# Altium PCB BreakOutBoard_Cyclone.PcbDoc (part 5 of 7)
Units mm, origin at the board's own origin, x right, y up, seen from the top; angles counter-clockwise.
Board outline 360 x 235.6 mm, 2 copper layers (Top Layer, Bottom Layer); 147 components, 203 nets, 2829 pads, 104 vias.
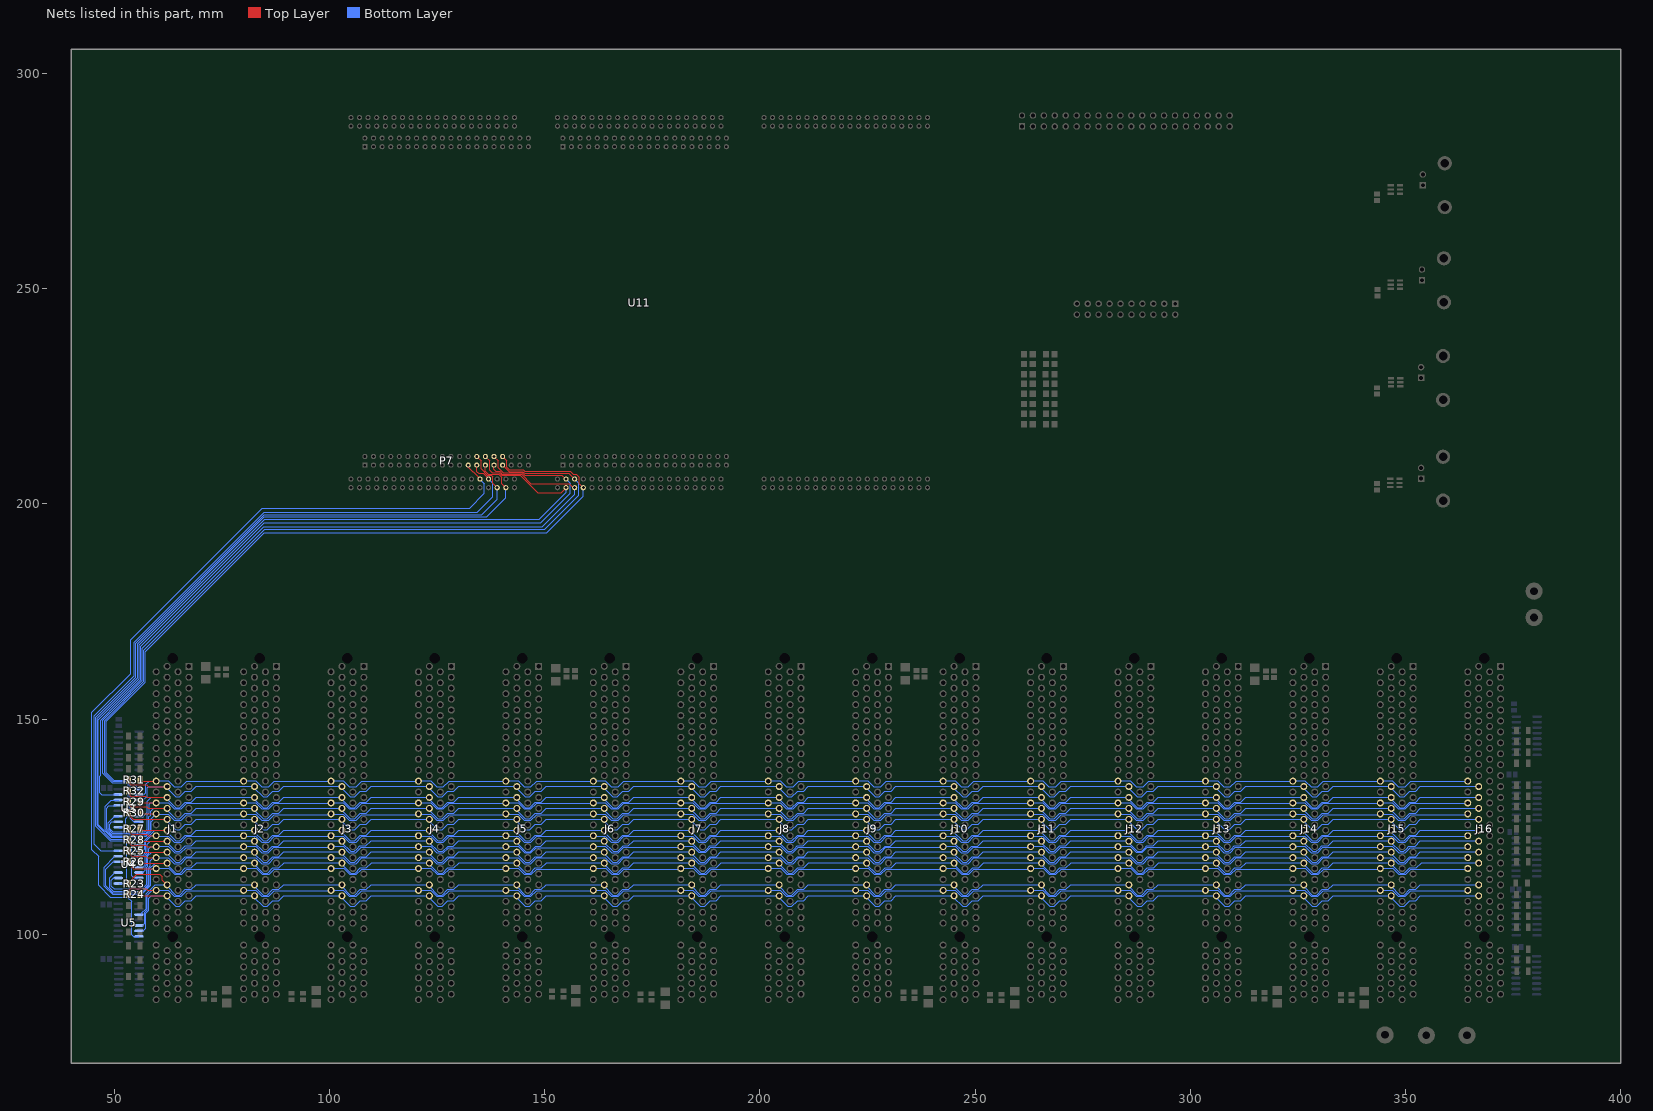
[diagram p5: the nets of this part, all layers, seen from the top]

## Via types
v1: diameter 0.6, hole 0.3, Top Layer to Bottom Layer, 53 vias
v2: diameter 1.27, hole 0.711, Top Layer to Bottom Layer, 36 vias
v3: diameter 5.5, hole 4.5, Top Layer to Bottom Layer, 15 vias

## Nets (pads, with @x,y where several pads share a name; then routed paths per layer and width w, separated by ;. In a path a pad name is that pad's centre, name@x,y a point inside that pad or via, vN(x,y) a via of type N, cw(c..) or ccw(c..) an arc to the next point about the centre after c; other vN are vias at no path point) (continued)
BUS22_P: J1.101 J2.101 J3.101 J4.101 J5.101 J6.101 J7.101 J8.101 J9.101 J10.101 J11.101 J12.101 J13.101 J14.101 J15.101 J16.101 R23.2 U5.3 | length 359.9
  Top Layer w0.15: R23.2@53.3,112 55.2,113.9 60.5,113.9 61.1,113.3 61.1,112.573 J1.101@62.23,111.442
  Bottom Layer w0.15: U5.3@56.4,104.6 56.4,104.96 57.34,105.9 57.34,109.34 59.442,111.442 J1.101@62.23,111.442 ; J1.101@62.1,111.5 62.1,111.2 64.2,109.1 65.2,109.1 66.5,110.4 67.9,110.4 69.023,111.522 J2.101@82.45,111.522 ; J2.101@82.42,111.5 82.42,111.2 84.52,109.1 85.52,109.1 86.82,110.4 88.22,110.4 89.343,111.522 J3.101@102.77,111.522 ; J3.101@102.74,111.5 102.74,111.2 104.84,109.1 105.84,109.1 107.14,110.4 108.54,110.4 109.663,111.522 J4.101@123.09,111.522 ; J4.101@123.06,111.5 123.06,111.2 125.16,109.1 126.16,109.1 127.46,110.4 128.86,110.4 129.983,111.522 J5.101@143.41,111.522 ; J5.101@143.38,111.5 143.38,111.2 145.48,109.1 146.48,109.1 147.78,110.4 149.18,110.4 150.303,111.522 J6.101@163.73,111.522 ; J6.101@163.7,111.5 163.7,111.2 165.8,109.1 166.8,109.1 168.1,110.4 169.5,110.4 170.623,111.522 J7.101@184.05,111.522 ; J7.101@184.02,111.5 184.02,111.2 186.12,109.1 187.12,109.1 188.42,110.4 189.82,110.4 190.943,111.522 J8.101@204.37,111.522 ; J8.101@204.34,111.5 204.34,111.2 206.44,109.1 207.44,109.1 208.74,110.4 210.14,110.4 211.263,111.522 J9.101@224.69,111.522 ; J9.101@224.66,111.5 224.66,111.2 226.76,109.1 227.76,109.1 229.06,110.4 230.46,110.4 231.583,111.522 J10.101@245.01,111.522 ; J10.101@244.98,111.5 244.98,111.2 247.08,109.1 248.08,109.1 249.38,110.4 250.78,110.4 251.903,111.522 J11.101@265.33,111.522 ; J11.101@265.3,111.5 265.3,111.2 267.4,109.1 268.4,109.1 269.7,110.4 271.1,110.4 272.223,111.522 J12.101@285.65,111.522 ; J12.101@285.62,111.5 285.62,111.2 287.72,109.1 288.72,109.1 290.02,110.4 291.42,110.4 292.543,111.522 J13.101@305.97,111.522 ; J13.101@305.94,111.5 305.94,111.2 308.04,109.1 309.04,109.1 310.34,110.4 311.74,110.4 312.863,111.522 J14.101@326.29,111.522 ; J14.101@326.26,111.5 326.26,111.2 328.36,109.1 329.36,109.1 330.66,110.4 332.06,110.4 333.183,111.522 J15.101@346.61,111.522 ; J15.101@346.58,111.5 346.58,111.2 348.68,109.1 349.68,109.1 350.98,110.4 352.38,110.4 353.503,111.522 J16.101@366.93,111.522
BUS23: P7.25 U5.7 U11.1A32 | length 184.7
  Top Layer w0.15: P7.25@132.2,208.9 132.2,208.5 133.3,207.4 133.324,207.4 134.95,205.774 U11.1A32@134.95,205.75
  Bottom Layer w0.15: U5.7@55.8,99.425 54.475,99.425 54,99.9 54,107.63 53.03,108.6 49.06,108.6 46.31,111.35 46.31,118.09 44.75,119.65 44.75,151.57 53.75,160.57 53.75,168.4 84.35,199 132.53,199 135.94,202.41 135.94,204.7 U11.1A32@134.93,205.71
BUS23_N: J1.103 J2.103 J3.103 J4.103 J5.103 J6.103 J7.103 J8.103 J9.103 J10.103 J11.103 J12.103 J13.103 J14.103 J15.103 J16.103 R24.1 U5.6 | length 357
  Top Layer w0.15: R24.1@56,109.4 56.497,108.902 J1.103@62.23,108.902
  Bottom Layer w0.15: U5.6@56.6,100.7 57.32,101.42 57.32,104.91 57.946,105.536 57.946,108.338 58.511,108.902 J1.103@62.23,108.902 ; J1.103@62.1,108.9 62.1,108.6 64.2,106.5 65.2,106.5 66.5,107.8 67.9,107.8 69.023,108.922 J2.103@82.45,108.922 ; J2.103@82.42,108.9 82.42,108.6 84.52,106.5 85.52,106.5 86.82,107.8 88.22,107.8 89.343,108.922 J3.103@102.77,108.922 ; J3.103@102.74,108.9 102.74,108.6 104.84,106.5 105.84,106.5 107.14,107.8 108.54,107.8 109.663,108.922 J4.103@123.09,108.922 ; J4.103@123.06,108.9 123.06,108.6 125.16,106.5 126.16,106.5 127.46,107.8 128.86,107.8 129.983,108.922 J5.103@143.41,108.922 ; J5.103@143.38,108.9 143.38,108.6 145.48,106.5 146.48,106.5 147.78,107.8 149.18,107.8 150.303,108.922 J6.103@163.73,108.922 ; J6.103@163.7,108.9 163.7,108.6 165.8,106.5 166.8,106.5 168.1,107.8 169.5,107.8 170.623,108.922 J7.103@184.05,108.922 ; J7.103@184.02,108.9 184.02,108.6 186.12,106.5 187.12,106.5 188.42,107.8 189.82,107.8 190.943,108.922 J8.103@204.37,108.922 ; J8.103@204.34,108.9 204.34,108.6 206.44,106.5 207.44,106.5 208.74,107.8 210.14,107.8 211.263,108.922 J9.103@224.69,108.922 ; J9.103@224.66,108.9 224.66,108.6 226.76,106.5 227.76,106.5 229.06,107.8 230.46,107.8 231.583,108.922 J10.103@245.01,108.922 ; J10.103@244.98,108.9 244.98,108.6 247.08,106.5 248.08,106.5 249.38,107.8 250.78,107.8 251.903,108.922 J11.103@265.33,108.922 ; J11.103@265.3,108.9 265.3,108.6 267.4,106.5 268.4,106.5 269.7,107.8 271.1,107.8 272.223,108.922 J12.103@285.65,108.922 ; J12.103@285.62,108.9 285.62,108.6 287.72,106.5 288.72,106.5 290.02,107.8 291.42,107.8 292.543,108.922 J13.103@305.97,108.922 ; J13.103@305.94,108.9 305.94,108.6 308.04,106.5 309.04,106.5 310.34,107.8 311.74,107.8 312.863,108.922 J14.103@326.29,108.922 ; J14.103@326.26,108.9 326.26,108.6 328.36,106.5 329.36,106.5 330.66,107.8 332.06,107.8 333.183,108.922 J15.103@346.61,108.922 ; J15.103@346.58,108.9 346.58,108.6 348.68,106.5 349.68,106.5 350.98,107.8 352.38,107.8 353.503,108.922 J16.103@366.93,108.922
BUS23_P: J1.102 J2.102 J3.102 J4.102 J5.102 J6.102 J7.102 J8.102 J9.102 J10.102 J11.102 J12.102 J13.102 J14.102 J15.102 J16.102 R24.2 U5.5 | length 339.1
  Top Layer w0.15: R24.2@53.2,109.9 53.8,110.5 57.4,110.5 57.727,110.172 J1.102@59.69,110.172
  Bottom Layer w0.15: U5.5@56.6,102.1 57.02,102.52 57.02,105.09 57.646,105.716 57.646,109.046 58.773,110.172 J1.102@59.69,110.172 ; J1.102@59.6,110.2 62.5,110.2 63.9,108.8 65.5,108.8 66.8,110.1 79.758,110.1 J2.102@79.91,110.252 ; J2.102@79.92,110.2 82.82,110.2 84.22,108.8 85.82,108.8 87.12,110.1 100.078,110.1 J3.102@100.23,110.252 ; J3.102@100.24,110.2 103.14,110.2 104.54,108.8 106.14,108.8 107.44,110.1 120.398,110.1 J4.102@120.55,110.252 ; J4.102@120.56,110.2 123.46,110.2 124.86,108.8 126.46,108.8 127.76,110.1 140.718,110.1 J5.102@140.87,110.252 ; J5.102@140.88,110.2 143.78,110.2 145.18,108.8 146.78,108.8 148.08,110.1 161.038,110.1 J6.102@161.19,110.252 ; J6.102@161.2,110.2 164.1,110.2 165.5,108.8 167.1,108.8 168.4,110.1 181.358,110.1 J7.102@181.51,110.252 ; J7.102@181.52,110.2 184.42,110.2 185.82,108.8 187.42,108.8 188.72,110.1 201.678,110.1 J8.102@201.83,110.252 ; J8.102@201.84,110.2 204.74,110.2 206.14,108.8 207.74,108.8 209.04,110.1 221.998,110.1 J9.102@222.15,110.252 ; J9.102@222.16,110.2 225.06,110.2 226.46,108.8 228.06,108.8 229.36,110.1 242.318,110.1 J10.102@242.47,110.252 ; J10.102@242.48,110.2 245.38,110.2 246.78,108.8 248.38,108.8 249.68,110.1 262.638,110.1 J11.102@262.79,110.252 ; J11.102@262.8,110.2 265.7,110.2 267.1,108.8 268.7,108.8 270,110.1 282.958,110.1 J12.102@283.11,110.252 ; J12.102@283.12,110.2 286.02,110.2 287.42,108.8 289.02,108.8 290.32,110.1 303.278,110.1 J13.102@303.43,110.252 ; J13.102@303.44,110.2 306.34,110.2 307.74,108.8 309.34,108.8 310.64,110.1 323.598,110.1 J14.102@323.75,110.252 ; J14.102@323.76,110.2 326.66,110.2 328.06,108.8 329.66,108.8 330.96,110.1 343.918,110.1 J15.102@344.07,110.252 ; J15.102@344.08,110.2 346.98,110.2 348.38,108.8 349.98,108.8 351.28,110.1 364.238,110.1 J16.102@364.39,110.252
BUS24: P7.28 U4.9 U11.1A35 | length 176.5
  Top Layer w0.15: P7.28@134.2,211 135.2,210 135.2,208.1 136.673,206.627 137.573,206.627 137.9,206.3 137.9,204.8 U11.1A35@138.95,203.75 U11.1A35@139,203.7
  Bottom Layer w0.15: U4.9@51,111.755 52.155,111.755 52.8,112.4 52.8,121.446 52.506,121.74 49,121.74 45.65,125.09 45.65,150.36 55,159.71 55,167.65 84.8,197.45 135.35,197.45 138.95,201.05 U11.1A35@138.95,203.75 U11.1A35@138.95,203.76
BUS24_N: J1.95 J2.95 J3.95 J4.95 J5.95 J6.95 J7.95 J8.95 J9.95 J10.95 J11.95 J12.95 J13.95 J14.95 J15.95 J16.95 R25.1 U4.10 | length 367.1
  Top Layer w0.15: R25.1@56,119.3 56.237,119.062 J1.95@62.23,119.062
  Bottom Layer w0.15: U4.10@50.1,113 49.67,113 49.22,112.55 49.22,111.18 49.9,110.5 56.362,110.5 57.454,111.592 57.454,115.5 57.78,115.826 57.78,118.172 58.671,119.062 J1.95@62.23,119.062 ; J1.95@62.1,119.1 62.1,118.8 64.2,116.7 65.2,116.7 66.5,118 67.9,118 69.023,119.122 J2.95@82.45,119.122 ; J2.95@82.42,119.1 82.42,118.8 84.52,116.7 85.52,116.7 86.82,118 88.22,118 89.343,119.122 J3.95@102.77,119.122 ; J3.95@102.74,119.1 102.74,118.8 104.84,116.7 105.84,116.7 107.14,118 108.54,118 109.663,119.122 J4.95@123.09,119.122 ; J4.95@123.06,119.1 123.06,118.8 125.16,116.7 126.16,116.7 127.46,118 128.86,118 129.983,119.122 J5.95@143.41,119.122 ; J5.95@143.38,119.1 143.38,118.8 145.48,116.7 146.48,116.7 147.78,118 149.18,118 150.303,119.122 J6.95@163.73,119.122 ; J6.95@163.7,119.1 163.7,118.8 165.8,116.7 166.8,116.7 168.1,118 169.5,118 170.623,119.122 J7.95@184.05,119.122 ; J7.95@184.02,119.1 184.02,118.8 186.12,116.7 187.12,116.7 188.42,118 189.82,118 190.943,119.122 J8.95@204.37,119.122 ; J8.95@204.34,119.1 204.34,118.8 206.44,116.7 207.44,116.7 208.74,118 210.14,118 211.263,119.122 J9.95@224.69,119.122 ; J9.95@224.66,119.1 224.66,118.8 226.76,116.7 227.76,116.7 229.06,118 230.46,118 231.583,119.122 J10.95@245.01,119.122 ; J10.95@244.98,119.1 244.98,118.8 247.08,116.7 248.08,116.7 249.38,118 250.78,118 251.903,119.122 J11.95@265.33,119.122 ; J11.95@265.3,119.1 265.3,118.8 267.4,116.7 268.4,116.7 269.7,118 271.1,118 272.223,119.122 J12.95@285.65,119.122 ; J12.95@285.62,119.1 285.62,118.8 287.72,116.7 288.72,116.7 290.02,118 291.42,118 292.543,119.122 J13.95@305.97,119.122 ; J13.95@305.94,119.1 305.94,118.8 308.04,116.7 309.04,116.7 310.34,118 311.74,118 312.863,119.122 J14.95@326.29,119.122 ; J14.95@326.26,119.1 326.26,118.8 328.36,116.7 329.36,116.7 330.66,118 332.06,118 333.183,119.122 J15.95@346.61,119.122 ; J15.95@346.58,119.1 346.58,118.8 348.68,116.7 349.68,116.7 350.98,118 352.38,118 353.503,119.122 J16.95@366.93,119.122
BUS24_P: J1.96 J2.96 J3.96 J4.96 J5.96 J6.96 J7.96 J8.96 J9.96 J10.96 J11.96 J12.96 J13.96 J14.96 J15.96 J16.96 R25.2 U4.11 | length 350.4
  Top Layer w0.15: R25.2@53.4,118.7 54,118.1 57.3,118.1 57.607,117.792 J1.96@59.69,117.792
  Bottom Layer w0.15: U4.11@50.1,114.3 48.92,113.12 48.92,110.78 49.75,109.95 56.236,109.95 57.8,111.514 57.8,115.37 58.32,115.89 58.32,117.058 59.055,117.792 J1.96@59.69,117.792 ; J1.96@59.6,117.8 62.5,117.8 63.9,116.4 65.5,116.4 66.8,117.7 79.758,117.7 J2.96@79.91,117.852 ; J2.96@79.92,117.8 82.82,117.8 84.22,116.4 85.82,116.4 87.12,117.7 100.078,117.7 J3.96@100.23,117.852 ; J3.96@100.24,117.8 103.14,117.8 104.54,116.4 106.14,116.4 107.44,117.7 120.398,117.7 J4.96@120.55,117.852 ; J4.96@120.56,117.8 123.46,117.8 124.86,116.4 126.46,116.4 127.76,117.7 140.718,117.7 J5.96@140.87,117.852 ; J5.96@140.88,117.8 143.78,117.8 145.18,116.4 146.78,116.4 148.08,117.7 161.038,117.7 J6.96@161.19,117.852 ; J6.96@161.2,117.8 164.1,117.8 165.5,116.4 167.1,116.4 168.4,117.7 181.358,117.7 J7.96@181.51,117.852 ; J7.96@181.52,117.8 184.42,117.8 185.82,116.4 187.42,116.4 188.72,117.7 201.678,117.7 J8.96@201.83,117.852 ; J8.96@201.84,117.8 204.74,117.8 206.14,116.4 207.74,116.4 209.04,117.7 221.998,117.7 J9.96@222.15,117.852 ; J9.96@222.16,117.8 225.06,117.8 226.46,116.4 228.06,116.4 229.36,117.7 242.318,117.7 J10.96@242.47,117.852 ; J10.96@242.48,117.8 245.38,117.8 246.78,116.4 248.38,116.4 249.68,117.7 262.638,117.7 J11.96@262.79,117.852 ; J11.96@262.8,117.8 265.7,117.8 267.1,116.4 268.7,116.4 270,117.7 282.958,117.7 J12.96@283.11,117.852 ; J12.96@283.12,117.8 286.02,117.8 287.42,116.4 289.02,116.4 290.32,117.7 303.278,117.7 J13.96@303.43,117.852 ; J13.96@303.44,117.8 306.34,117.8 307.74,116.4 309.34,116.4 310.64,117.7 323.598,117.7 J14.96@323.75,117.852 ; J14.96@323.76,117.8 326.66,117.8 328.06,116.4 329.66,116.4 330.96,117.7 343.918,117.7 J15.96@344.07,117.852 ; J15.96@344.08,117.8 346.98,117.8 348.38,116.4 349.98,116.4 351.28,117.7 364.238,117.7 J16.96@364.39,117.852
BUS25: P7.27 U4.15 U11.1A34 | length 163.9
  Top Layer w0.15: P7.27@134.2,209 134.2,207.5 134.6,207.1 135.7,207.1 U11.1A34@137,205.8
  Bottom Layer w0.15: U4.15@51,119.375 46.825,119.375 45.35,120.85 45.35,150.77 54.6,160.02 54.6,167.8 84.79,197.99 85.545,197.99 ; 85.55,197.99 134.3,197.99 137.94,201.63 137.94,204.74 U11.1A34@136.96,205.72
BUS25_N: J1.98 J2.98 J3.98 J4.98 J5.98 J6.98 J7.98 J8.98 J9.98 J10.98 J11.98 J12.98 J13.98 J14.98 J15.98 J16.98 R26.1 U4.14 | length 354.5
  Top Layer w0.15: R26.1@53.4,116.2 54.347,115.252 J1.98@59.69,115.252
  Bottom Layer w0.15: U4.14@50.1,118.1 47.6,115.6 47.6,111.19 49.56,109.23 56.365,109.23 58.45,111.315 58.45,114.934 58.769,115.252 J1.98@59.69,115.252 ; J1.98@59.7,115.3 62.6,115.3 64,113.9 65.6,113.9 66.78,115.08 79.738,115.08 J2.98@80.01,115.352 ; J2.98@80.02,115.3 82.92,115.3 84.32,113.9 85.92,113.9 87.12,115.1 100.078,115.1 J3.98@100.33,115.352 ; J3.98@100.34,115.3 103.24,115.3 104.64,113.9 106.24,113.9 107.43,115.09 120.388,115.09 J4.98@120.65,115.352 ; J4.98@120.66,115.3 123.56,115.3 124.96,113.9 126.56,113.9 127.78,115.12 140.738,115.12 J5.98@140.97,115.352 ; J5.98@140.98,115.3 143.88,115.3 145.28,113.9 146.88,113.9 148.12,115.14 161.078,115.14 J6.98@161.29,115.352 ; J6.98@161.3,115.3 164.2,115.3 165.6,113.9 167.2,113.9 168.39,115.09 181.348,115.09 J7.98@181.61,115.352 ; J7.98@181.62,115.3 184.52,115.3 185.92,113.9 187.52,113.9 188.74,115.12 201.698,115.12 J8.98@201.93,115.352 ; J8.98@201.94,115.3 204.84,115.3 206.24,113.9 207.84,113.9 209.04,115.1 221.998,115.1 J9.98@222.25,115.352 ; J9.98@222.26,115.3 225.16,115.3 226.56,113.9 228.13,113.9 229.353,115.123 242.341,115.123 J10.98@242.57,115.352 ; J10.98@242.58,115.3 245.48,115.3 246.88,113.9 248.48,113.9 249.7,115.12 262.658,115.12 J11.98@262.89,115.352 ; J11.98@262.9,115.3 265.8,115.3 267.2,113.9 268.8,113.9 270.01,115.11 282.968,115.11 J12.98@283.21,115.352 ; J12.98@283.22,115.3 286.12,115.3 287.52,113.9 289.12,113.9 290.36,115.14 303.318,115.14 J13.98@303.53,115.352 ; J13.98@303.54,115.3 306.44,115.3 307.84,113.9 309.44,113.9 310.66,115.12 323.618,115.12 J14.98@323.85,115.352 ; J14.98@323.86,115.3 326.76,115.3 328.16,113.9 329.76,113.9 331,115.14 343.958,115.14 J15.98@344.17,115.352 ; J15.98@344.18,115.3 347.08,115.3 348.48,113.9 350.08,113.9 351.28,115.1 364.238,115.1 J16.98@364.49,115.352
BUS25_P: J1.97 J2.97 J3.97 J4.97 J5.97 J6.97 J7.97 J8.97 J9.97 J10.97 J11.97 J12.97 J13.97 J14.97 J15.97 J16.97 R26.2 U4.13 | length 370.8
  Top Layer w0.15: R26.2@56,116.8 56.277,116.522 J1.97@62.23,116.522
  Bottom Layer w0.15: U4.13@50.1,116.8 49.7,116.8 48,115.1 48,111.25 49.6,109.65 56.36,109.65 58.1,111.39 58.1,115.2 59.422,116.522 J1.97@62.2,116.522 ; J1.97@62.2,116.6 J1.97@62.2,116.522 ; J1.97@62.23,116.522 J1.97@62.2,116.522 ; J2.97@82.52,116.6 82.52,116.3 84.62,114.2 85.62,114.2 86.82,115.4 88.22,115.4 89.443,116.622 J3.97@102.87,116.622 ; J2.97@82.55,116.622 69.123,116.622 67.9,115.4 66.5,115.4 65.3,114.2 64.3,114.2 62.2,116.3 J1.97@62.2,116.522 ; J3.97@102.84,116.6 102.84,116.3 104.94,114.2 105.94,114.2 107.14,115.4 108.54,115.4 109.763,116.622 J4.97@123.19,116.622 ; J4.97@123.16,116.6 123.16,116.3 125.26,114.2 126.26,114.2 127.48,115.42 128.88,115.42 130.083,116.622 J5.97@143.51,116.622 ; J5.97@143.48,116.6 143.48,116.3 145.58,114.2 146.58,114.2 147.82,115.44 149.22,115.44 150.403,116.622 J6.97@163.83,116.622 ; J6.97@163.8,116.6 163.8,116.3 165.9,114.2 166.9,114.2 168.1,115.4 169.5,115.4 170.723,116.622 J7.97@184.15,116.622 ; J7.97@184.12,116.6 184.12,116.3 186.22,114.2 187.22,114.2 188.44,115.42 189.84,115.42 191.043,116.622 J8.97@204.47,116.622 ; J8.97@204.44,116.6 204.44,116.3 206.54,114.2 207.54,114.2 208.79,115.45 210.19,115.45 211.363,116.622 J9.97@224.79,116.622 ; J9.97@224.76,116.6 224.76,116.3 226.86,114.2 227.86,114.2 229.083,115.423 230.483,115.423 231.683,116.622 J10.97@245.11,116.622 ; J10.97@245.08,116.6 245.08,116.3 247.18,114.2 248.18,114.2 249.4,115.42 250.8,115.42 252.003,116.622 J11.97@265.43,116.622 ; J11.97@265.4,116.6 265.4,116.3 267.5,114.2 268.5,114.2 269.71,115.41 271.11,115.41 272.323,116.622 J12.97@285.75,116.622 ; J12.97@285.72,116.6 285.72,116.3 287.82,114.2 288.82,114.2 290.06,115.44 291.46,115.44 292.643,116.622 J13.97@306.07,116.622 ; J13.97@306.04,116.6 306.04,116.3 308.14,114.2 309.14,114.2 310.36,115.42 311.76,115.42 312.963,116.622 J14.97@326.39,116.622 ; J14.97@326.36,116.6 326.36,116.3 328.46,114.2 329.46,114.2 330.71,115.45 332.11,115.45 333.283,116.622 J15.97@346.71,116.622 ; J15.97@346.68,116.6 346.68,116.3 348.78,114.2 349.78,114.2 351.01,115.43 352.57,115.43 353.763,116.622 J16.97@367.03,116.622
BUS26: P7.30 U4.1 U11.1B3 | length 196.6
  Top Layer w0.15: P7.30@136.2,211 137.2,210 137.2,207.8 137.75,207.25 139.374,207.25 140,206.624 140,206.6 144.33,206.6 148.33,202.6 153.8,202.6 U11.1B3@154.95,203.75
  Bottom Layer w0.15: U4.1@55.8,120.645 55.8,121.138 54.465,122.473 49.233,122.473 46.25,125.456 46.25,149.8 55.75,159.3 55.75,167.25 84.9,196.4 85.033,196.4 ; 85.05,196.4 148.69,196.4 154.97,202.68 U11.1B3@154.97,203.8
BUS26_N: J1.91 J2.91 J3.91 J4.91 J5.91 J6.91 J7.91 J8.91 J9.91 J10.91 J11.91 J12.91 J13.91 J14.91 J15.91 J16.91 R27.1 U4.2 | length 352.8
  Top Layer w0.15: R27.1@56.1,124.5 56.457,124.142 J1.91@62.23,124.142
  Bottom Layer w0.15: U4.2@56.7,119.5 57.01,119.81 57.01,121.81 59.343,124.142 J1.91@62.23,124.142 ; J1.91@62.1,124.1 62.1,123.8 64.2,121.7 65.2,121.7 66.5,123 67.9,123 69.023,124.123 J2.91@82.45,124.123 ; J2.91@82.42,124.1 82.42,123.8 84.52,121.7 85.52,121.7 86.82,123 88.22,123 89.343,124.123 J3.91@102.77,124.123 ; J3.91@102.74,124.1 102.74,123.8 104.84,121.7 105.84,121.7 107.14,123 108.54,123 109.663,124.123 J4.91@123.09,124.123 ; J4.91@123.06,124.1 123.06,123.8 125.16,121.7 126.16,121.7 127.46,123 128.86,123 129.983,124.123 J5.91@143.41,124.123 ; J5.91@143.38,124.1 143.38,123.8 145.48,121.7 146.48,121.7 147.78,123 149.18,123 150.303,124.123 J6.91@163.73,124.123 ; J6.91@163.7,124.1 163.7,123.8 165.8,121.7 166.8,121.7 168.1,123 169.5,123 170.623,124.123 J7.91@184.05,124.123 ; J7.91@184.02,124.1 184.02,123.8 186.12,121.7 187.12,121.7 188.42,123 189.82,123 190.943,124.123 J8.91@204.37,124.123 ; J8.91@204.34,124.1 204.34,123.8 206.44,121.7 207.44,121.7 208.74,123 210.14,123 211.263,124.123 J9.91@224.69,124.123 ; J9.91@224.66,124.1 224.66,123.8 226.76,121.7 227.76,121.7 229.06,123 230.46,123 231.583,124.123 J10.91@245.01,124.123 ; J10.91@244.98,124.1 244.98,123.8 247.08,121.7 248.08,121.7 249.38,123 250.78,123 251.903,124.123 J11.91@265.33,124.123 ; J11.91@265.3,124.1 265.3,123.8 267.4,121.7 268.4,121.7 269.7,123 271.1,123 272.223,124.123 J12.91@285.65,124.123 ; J12.91@285.62,124.1 285.62,123.8 287.72,121.7 288.72,121.7 290.02,123 291.42,123 292.543,124.123 J13.91@305.97,124.123 ; J13.91@305.94,124.1 305.94,123.8 308.04,121.7 309.04,121.7 310.34,123 311.74,123 312.863,124.123 J14.91@326.29,124.123 ; J14.91@326.26,124.1 326.26,123.8 328.36,121.7 329.36,121.7 330.66,123 332.06,123 333.183,124.123 J15.91@346.61,124.123 ; J15.91@346.58,124.1 346.58,123.8 348.68,121.7 349.68,121.7 350.98,123 352.38,123 353.503,124.123 J16.91@366.93,124.123
BUS26_P: J1.92 J2.92 J3.92 J4.92 J5.92 J6.92 J7.92 J8.92 J9.92 J10.92 J11.92 J12.92 J13.92 J14.92 J15.92 J16.92 R27.2 U4.3 | length 335.8
  Top Layer w0.15: R27.2@53.3,123.9 54,123.2 57.5,123.2 57.827,122.872 J1.92@59.69,122.872
  Bottom Layer w0.15: U4.3@56.6,118.2 56.6,118.35 57.32,119.07 57.32,121.62 58.573,122.872 J1.92@59.69,122.872 ; J1.92@59.6,122.8 62.5,122.8 63.9,121.4 65.5,121.4 66.8,122.7 79.758,122.7 J2.92@79.91,122.853 ; J2.92@79.92,122.8 82.82,122.8 84.22,121.4 85.82,121.4 87.12,122.7 100.078,122.7 J3.92@100.23,122.853 ; J3.92@100.24,122.8 103.14,122.8 104.54,121.4 106.14,121.4 107.44,122.7 120.398,122.7 J4.92@120.55,122.853 ; J4.92@120.56,122.8 123.46,122.8 124.86,121.4 126.46,121.4 127.76,122.7 140.718,122.7 J5.92@140.87,122.853 ; J5.92@140.88,122.8 143.78,122.8 145.18,121.4 146.78,121.4 148.08,122.7 161.038,122.7 J6.92@161.19,122.853 ; J6.92@161.2,122.8 164.1,122.8 165.5,121.4 167.1,121.4 168.4,122.7 181.358,122.7 J7.92@181.51,122.853 ; J7.92@181.52,122.8 184.42,122.8 185.82,121.4 187.42,121.4 188.72,122.7 201.678,122.7 J8.92@201.83,122.853 ; J8.92@201.84,122.8 204.74,122.8 206.14,121.4 207.74,121.4 209.04,122.7 221.998,122.7 J9.92@222.15,122.853 ; J9.92@222.16,122.8 225.06,122.8 226.46,121.4 228.06,121.4 229.36,122.7 242.318,122.7 J10.92@242.47,122.853 ; J10.92@242.48,122.8 245.38,122.8 246.78,121.4 248.38,121.4 249.68,122.7 262.638,122.7 J11.92@262.79,122.853 ; J11.92@262.8,122.8 265.7,122.8 267.1,121.4 268.7,121.4 270,122.7 282.958,122.7 J12.92@283.11,122.853 ; J12.92@283.12,122.8 286.02,122.8 287.42,121.4 289.02,121.4 290.32,122.7 303.278,122.7 J13.92@303.43,122.853 ; J13.92@303.44,122.8 306.34,122.8 307.74,121.4 309.34,121.4 310.64,122.7 323.598,122.7 J14.92@323.75,122.853 ; J14.92@323.76,122.8 326.66,122.8 328.06,121.4 329.66,121.4 330.96,122.7 343.918,122.7 J15.92@344.07,122.853 ; J15.92@344.08,122.8 346.98,122.8 348.38,121.4 349.98,121.4 351.28,122.7 364.238,122.7 J16.92@364.39,122.853
BUS27: P7.29 U4.7 U11.1A37 | length 176.4
  Top Layer w0.15: P7.29@136.2,209 136.2,207.6 136.873,206.927 139.249,206.927 140,206.176 140,204.7 U11.1A37@140.95,203.75
  Bottom Layer w0.15: U4.7@55.8,113.025 54.575,113.025 54,113.6 54,121.846 53.736,122.11 49.12,122.11 45.95,125.28 45.95,150.12 55.4,159.57 55.4,167.5 84.86,196.96 136.48,196.96 140.93,201.41 U11.1A37@140.93,203.73
BUS27_N: J1.94 J2.94 J3.94 J4.94 J5.94 J6.94 J7.94 J8.94 J9.94 J10.94 J11.94 J12.94 J13.94 J14.94 J15.94 J16.94 R28.1 U4.6 | length 337.9
  Top Layer w0.15: R28.1@53.3,121.3 53.9,120.7 57.3,120.7 57.667,120.332 J1.94@59.69,120.332
  Bottom Layer w0.15: U4.6@56.7,114.3 56.7,114.45 57.114,114.863 57.114,115.764 57.48,116.13 57.48,118.296 57.95,118.766 57.95,119.796 58.487,120.332 J1.94@59.69,120.332 ; J1.94@59.6,120.4 62.5,120.4 63.96,118.94 65.44,118.94 66.63,120.13 79.588,120.13 J2.94@79.91,120.452 ; J2.94@79.92,120.4 82.82,120.4 84.28,118.94 85.76,118.94 86.98,120.16 99.938,120.16 J3.94@100.23,120.452 ; J3.94@100.24,120.4 103.14,120.4 104.62,118.92 106.06,118.92 107.3,120.16 120.258,120.16 J4.94@120.55,120.452 ; J4.94@120.56,120.4 123.46,120.4 124.94,118.92 126.424,118.92 127.634,120.13 140.548,120.13 J5.94@140.87,120.452 ; J5.94@140.88,120.4 143.78,120.4 145.29,118.89 146.754,118.89 147.974,120.11 160.848,120.11 J6.94@161.19,120.452 ; J6.94@161.2,120.4 164.1,120.4 165.58,118.92 167.034,118.92 168.334,120.22 181.278,120.22 J7.94@181.51,120.452 ; J7.94@181.52,120.4 184.42,120.4 185.82,119 186.135,119 186.137,118.997 187.243,118.997 187.245,119 187.42,119 188.62,120.2 201.578,120.2 J8.94@201.83,120.452 ; J8.94@201.84,120.4 204.74,120.4 206.25,118.89 207.63,118.89 208.91,120.17 221.868,120.17 J9.94@222.15,120.452 ; J9.94@222.16,120.4 225.06,120.4 226.5,118.96 228.02,118.96 229.21,120.15 242.168,120.15 J10.94@242.47,120.452 ; J10.94@242.48,120.4 245.38,120.4 246.82,118.96 248.34,118.96 249.56,120.18 262.518,120.18 J11.94@262.79,120.452 ; J11.94@262.8,120.4 265.7,120.4 267.16,118.94 268.64,118.94 269.93,120.23 282.888,120.23 J12.94@283.11,120.452 ; J12.94@283.12,120.4 286.02,120.4 287.42,119 287.735,119 287.737,118.997 288.843,118.997 290.015,120.17 303.148,120.17 J13.94@303.43,120.452 ; J13.94@303.44,120.4 306.34,120.4 307.8,118.94 309.28,118.94 310.48,120.14 323.438,120.14 J14.94@323.75,120.452 ; J14.94@323.76,120.4 326.66,120.4 328.14,118.92 329.58,118.92 330.82,120.16 343.778,120.16 J15.94@344.07,120.452 ; J15.94@344.08,120.4 346.98,120.4 348.45,118.93 349.91,118.93 351.11,120.13 364.068,120.13 J16.94@364.39,120.452
BUS27_P: J1.93 J2.93 J3.93 J4.93 J5.93 J6.93 J7.93 J8.93 J9.93 J10.93 J11.93 J12.93 J13.93 J14.93 J15.93 J16.93 R28.2 U4.5 | length 355.4
  Top Layer w0.15: R28.2@56,121.8 56.197,121.602 J1.93@62.23,121.602
  Bottom Layer w0.15: U4.5@56.6,115.6 56.6,115.674 57.18,116.254 57.18,118.421 57.65,118.891 57.65,120.95 58.303,121.602 J1.93@62.23,121.602 ; J1.93@62.1,121.7 62.1,121.4 64.203,119.297 65.199,119.297 65.805,119.904 ; 65.805,119.905 66.4,120.5 67.8,120.5 69.023,121.722 J2.93@82.45,121.722 ; J2.93@82.42,121.7 82.42,121.4 84.58,119.24 85.461,119.24 86.125,119.904 ; 86.125,119.905 86.68,120.46 88.08,120.46 89.343,121.722 J3.93@102.77,121.722 ; J3.93@102.74,121.7 102.74,121.4 104.92,119.22 105.761,119.22 106.445,119.904 ; 106.445,119.905 107.04,120.5 108.44,120.5 109.663,121.722 J4.93@123.09,121.722 ; J4.93@123.06,121.7 123.06,121.4 125.24,119.22 126.3,119.22 127.53,120.45 128.71,120.45 129.983,121.722 J5.93@143.41,121.722 ; J5.93@143.38,121.7 143.38,121.4 145.59,119.19 146.63,119.19 147.89,120.45 149.03,120.45 150.303,121.722 J6.93@163.73,121.722 ; J6.93@163.7,121.7 163.7,121.4 165.88,119.22 166.91,119.22 168.24,120.55 169.45,120.55 170.623,121.722 J7.93@184.05,121.722 ; J7.93@184.02,121.7 184.02,121.4 186.12,119.3 186.259,119.3 186.261,119.297 187.119,119.297 187.725,119.904 ; 187.725,119.905 188.32,120.5 189.72,120.5 190.943,121.722 J8.93@204.37,121.722 ; J8.93@204.34,121.7 204.34,121.4 206.443,119.297 207.439,119.297 208.045,119.904 ; 208.045,119.905 208.64,120.5 210.04,120.5 211.263,121.722 J9.93@224.69,121.722 ; J9.93@224.66,121.7 224.66,121.4 226.8,119.26 227.88,119.26 229.08,120.46 230.32,120.46 231.583,121.722 J10.93@245.01,121.722 ; J10.93@244.98,121.7 244.98,121.4 247.12,119.26 248.041,119.26 248.685,119.904 ; 248.685,119.905 249.26,120.48 250.66,120.48 251.903,121.722 J11.93@265.33,121.722 ; J11.93@265.3,121.7 265.3,121.4 267.46,119.24 268.341,119.24 269.005,119.904 ; 269.005,119.905 269.63,120.53 271.03,120.53 272.223,121.722 J12.93@285.65,121.722 ; J12.93@285.62,121.7 285.62,121.4 287.72,119.3 287.859,119.3 287.861,119.297 288.719,119.297 289.325,119.904 ; 289.325,119.905 289.92,120.5 ; 289.921,120.5 289.944,120.523 291.343,120.523 292.543,121.722 J13.93@305.97,121.722 ; J13.93@305.94,121.7 305.94,121.4 308.1,119.24 308.981,119.24 309.645,119.904 ; 309.645,119.905 310.24,120.5 311.64,120.5 312.863,121.722 J14.93@326.29,121.722 ; J14.93@326.26,121.7 326.26,121.4 328.44,119.22 329.281,119.22 329.965,119.904 ; 329.965,119.905 330.61,120.55 332.01,120.55 333.183,121.722 J15.93@346.61,121.722 ; J15.93@346.58,121.7 346.58,121.4 348.75,119.23 349.611,119.23 350.285,119.904 ; 350.285,119.905 350.83,120.45 352.23,120.45 353.503,121.722 J16.93@366.93,121.722
BUS28: P7.31 U3.9 U11.1B5 | length 189.7
  Top Layer w0.15: P7.31@138.2,209 138.2,208 138.65,207.55 139.498,207.55 140.148,206.9 144.592,206.9 146.792,204.7 155.7,204.7 156.65,203.75 U11.1B5@156.95,203.75
  Bottom Layer w0.15: U3.9@51,124.755 51.955,124.755 52.58,125.38 52.58,126.856 53.2,127.476 53.2,134.792 52.812,135.18 49.47,135.18 47.31,137.34 47.31,149.76 51.1,153.55 56.5,158.95 56.5,166.45 84.75,194.7 149.44,194.7 156.92,202.18 U11.1B5@156.92,203.77
BUS28_N: J1.86 J2.86 J3.86 J4.86 J5.86 J6.86 J7.86 J8.86 J9.86 J10.86 J11.86 J12.86 J13.86 J14.86 J15.86 J16.86 R29.1 U3.10 | length 345.8
  Top Layer w0.15: R29.1@56,130.8 56.307,130.493 J1.86@59.69,130.493
  Bottom Layer w0.15: U3.10@50.2,126.1 49.4,126.1 48.9,125.6 48.9,124.53 49.66,123.77 57.013,123.77 57.654,124.411 57.654,127.849 58.04,128.235 58.04,130.24 58.293,130.493 J1.86@59.69,130.493 ; J1.86@59.6,130.5 62.5,130.5 63.9,129.1 65.5,129.1 66.8,130.4 79.758,130.4 J2.86@79.91,130.552 ; J2.86@79.92,130.5 82.82,130.5 84.22,129.1 85.82,129.1 87.12,130.4 100.078,130.4 J3.86@100.23,130.552 ; J3.86@100.24,130.5 103.14,130.5 104.54,129.1 106.14,129.1 107.44,130.4 120.398,130.4 J4.86@120.55,130.552 ; J4.86@120.56,130.5 123.46,130.5 124.86,129.1 126.46,129.1 127.76,130.4 140.718,130.4 J5.86@140.87,130.552 ; J5.86@140.88,130.5 143.78,130.5 145.18,129.1 146.78,129.1 148.08,130.4 161.038,130.4 J6.86@161.19,130.552 ; J6.86@161.2,130.5 164.1,130.5 165.5,129.1 167.1,129.1 168.4,130.4 181.358,130.4 J7.86@181.51,130.552 ; J7.86@181.52,130.5 184.42,130.5 185.82,129.1 187.42,129.1 188.72,130.4 201.678,130.4 J8.86@201.83,130.552 ; J8.86@201.84,130.5 204.74,130.5 206.14,129.1 207.74,129.1 209.04,130.4 221.998,130.4 J9.86@222.15,130.552 ; J9.86@222.16,130.5 225.06,130.5 226.46,129.1 228.06,129.1 229.36,130.4 242.318,130.4 J10.86@242.47,130.552 ; J10.86@242.48,130.5 245.38,130.5 246.78,129.1 248.38,129.1 249.68,130.4 262.638,130.4 J11.86@262.79,130.552 ; J11.86@262.8,130.5 265.7,130.5 267.1,129.1 268.7,129.1 270,130.4 282.958,130.4 J12.86@283.11,130.552 ; J12.86@283.12,130.5 286.02,130.5 287.42,129.1 289.02,129.1 290.32,130.4 303.278,130.4 J13.86@303.43,130.552 ; J13.86@303.44,130.5 306.34,130.5 307.74,129.1 309.34,129.1 310.64,130.4 323.598,130.4 J14.86@323.75,130.552 ; J14.86@323.76,130.5 326.66,130.5 328.06,129.1 329.66,129.1 330.96,130.4 343.918,130.4 J15.86@344.07,130.552 ; J15.86@344.08,130.5 346.98,130.5 348.38,129.1 349.98,129.1 351.28,130.4 364.238,130.4 J16.86@364.39,130.552
BUS28_P: J1.87 J2.87 J3.87 J4.87 J5.87 J6.87 J7.87 J8.87 J9.87 J10.87 J11.87 J12.87 J13.87 J14.87 J15.87 J16.87 R29.2 U3.11 | length 370.8
  Top Layer w0.15: R29.2@53.1,130.3 53.8,129.6 57.5,129.6 57.877,129.222 J1.87@62.23,129.222
  Bottom Layer w0.15: U3.11@51,127.295 49.895,127.295 48.5,125.9 48.5,124.48 49.51,123.47 57.22,123.47 57.97,124.22 57.97,127.262 58.394,127.686 58.394,128.594 59.1,129.3 J1.87@62.2,129.3 ; J1.87@62.1,129.2 62.1,128.9 64.2,126.8 65.2,126.8 66.5,128.1 67.9,128.1 69.023,129.222 J2.87@82.45,129.222 ; J2.87@82.42,129.2 82.42,128.9 84.52,126.8 85.52,126.8 86.82,128.1 88.22,128.1 89.343,129.222 J3.87@102.77,129.222 ; J3.87@102.74,129.2 102.74,128.9 104.84,126.8 105.84,126.8 107.14,128.1 108.54,128.1 109.663,129.222 J4.87@123.09,129.222 ; J4.87@123.06,129.2 123.06,128.9 125.16,126.8 126.16,126.8 127.46,128.1 128.86,128.1 129.983,129.222 J5.87@143.41,129.222 ; J5.87@143.38,129.2 143.38,128.9 145.48,126.8 146.48,126.8 147.78,128.1 149.18,128.1 150.303,129.222 J6.87@163.73,129.222 ; J6.87@163.7,129.2 163.7,128.9 165.8,126.8 166.8,126.8 168.1,128.1 169.5,128.1 170.623,129.222 J7.87@184.05,129.222 ; J7.87@184.02,129.2 184.02,128.9 186.12,126.8 187.12,126.8 188.42,128.1 189.82,128.1 190.943,129.222 J8.87@204.37,129.222 ; J8.87@204.34,129.2 204.34,128.9 206.44,126.8 207.44,126.8 208.74,128.1 210.14,128.1 211.263,129.222 J9.87@224.69,129.222 ; J9.87@224.66,129.2 224.66,128.9 226.76,126.8 227.76,126.8 229.06,128.1 230.46,128.1 231.583,129.222 J10.87@245.01,129.222 ; J10.87@244.98,129.2 244.98,128.9 247.08,126.8 248.08,126.8 249.38,128.1 250.78,128.1 251.903,129.222 J11.87@265.33,129.222 ; J11.87@265.3,129.2 265.3,128.9 267.4,126.8 268.4,126.8 269.7,128.1 271.1,128.1 272.223,129.222 J12.87@285.65,129.222 ; J12.87@285.62,129.2 285.62,128.9 287.72,126.8 288.72,126.8 290.02,128.1 291.42,128.1 292.543,129.222 J13.87@305.97,129.222 ; J13.87@305.94,129.2 305.94,128.9 308.04,126.8 309.04,126.8 310.34,128.1 311.74,128.1 312.863,129.222 J14.87@326.29,129.222 ; J14.87@326.26,129.2 326.26,128.9 328.36,126.8 329.36,126.8 330.66,128.1 332.06,128.1 333.183,129.222 J15.87@346.61,129.222 ; J15.87@346.58,129.2 346.58,128.9 348.68,126.8 349.68,126.8 350.98,128.1 352.38,128.1 353.503,129.222 J16.87@366.93,129.222
BUS29: P7.32 U3.15 U11.1B4 | length 180.8
  Top Layer w0.15: P7.32@138.2,211 139.2,210 139.2,208.4 139.884,207.716 140.4,207.2 144.81,207.2 145.31,206.7 154,206.7 U11.1B4@154.95,205.75
  Bottom Layer w0.15: U3.15@51,132.375 47.025,132.375 46.55,132.85 46.55,136.704 46.8,136.954 46.8,149.75 50.934,153.884 56.15,159.1 56.15,166.9 84.86,195.61 149.11,195.61 155.96,202.46 155.96,204.75 U11.1B4@154.95,205.76
BUS29_N: J1.89 J2.89 J3.89 J4.89 J5.89 J6.89 J7.89 J8.89 J9.89 J10.89 J11.89 J12.89 J13.89 J14.89 J15.89 J16.89 R30.1 U3.14 | length 374.2
  Top Layer w0.15: R30.1@53.3,127.8 54.418,126.682 J1.89@62.23,126.682
  Bottom Layer w0.15: U3.14@51,131.105 49.305,131.105 47.9,129.7 47.9,124.23 49.35,122.78 57.424,122.78 58.6,123.956 58.6,126.17 59.13,126.7 J1.89@62.2,126.7 ; J1.89@62.1,126.7 62.1,126.4 64.2,124.3 65.2,124.3 66.5,125.6 67.9,125.6 69.023,126.722 J2.89@82.45,126.722 ; J2.89@82.42,126.7 82.42,126.4 84.52,124.3 85.52,124.3 86.82,125.6 88.22,125.6 89.343,126.722 J3.89@102.77,126.722 ; J3.89@102.74,126.7 102.74,126.4 104.84,124.3 105.84,124.3 107.14,125.6 108.54,125.6 109.663,126.722 J4.89@123.09,126.722 ; J4.89@123.06,126.7 123.06,126.4 125.16,124.3 126.16,124.3 127.46,125.6 128.86,125.6 129.983,126.722 J5.89@143.41,126.722 ; J5.89@143.38,126.7 143.38,126.4 145.48,124.3 146.48,124.3 147.78,125.6 149.18,125.6 150.303,126.722 J6.89@163.73,126.722 ; J6.89@163.7,126.7 163.7,126.4 165.8,124.3 166.8,124.3 168.1,125.6 169.5,125.6 170.623,126.722 J7.89@184.05,126.722 ; J7.89@184.02,126.7 184.02,126.4 186.12,124.3 187.12,124.3 188.42,125.6 189.82,125.6 190.943,126.722 J8.89@204.37,126.722 ; J8.89@204.34,126.7 204.34,126.4 206.44,124.3 207.44,124.3 208.74,125.6 210.14,125.6 211.263,126.722 J9.89@224.69,126.722 ; J9.89@224.66,126.7 224.66,126.4 226.76,124.3 227.76,124.3 229.06,125.6 230.46,125.6 231.583,126.722 J10.89@245.01,126.722 ; J10.89@244.98,126.7 244.98,126.4 247.08,124.3 248.08,124.3 249.38,125.6 250.78,125.6 251.903,126.722 J11.89@265.33,126.722 ; J11.89@265.3,126.7 265.3,126.4 267.4,124.3 268.4,124.3 269.7,125.6 271.1,125.6 272.223,126.722 J12.89@285.65,126.722 ; J12.89@285.62,126.7 285.62,126.4 287.72,124.3 288.72,124.3 290.02,125.6 291.42,125.6 292.543,126.722 J13.89@305.97,126.722 ; J13.89@305.94,126.7 305.94,126.4 308.04,124.3 309.04,124.3 310.34,125.6 311.74,125.6 312.863,126.722 J14.89@326.29,126.722 ; J14.89@326.26,126.7 326.26,126.4 328.36,124.3 329.36,124.3 330.66,125.6 332.06,125.6 333.183,126.722 J15.89@346.61,126.722 ; J15.89@346.58,126.7 346.58,126.4 348.68,124.3 349.68,124.3 350.98,125.6 352.38,125.6 353.503,126.722 J16.89@366.93,126.722
BUS29_P: J1.88 J2.88 J3.88 J4.88 J5.88 J6.88 J7.88 J8.88 J9.88 J10.88 J11.88 J12.88 J13.88 J14.88 J15.88 J16.88 R30.2 U3.13 | length 348.9
  Top Layer w0.15: R30.2@56.1,128.3 56.447,127.953 J1.88@59.69,127.953
  Bottom Layer w0.15: U3.13@50.4,129.8 48.7,129.8 48.2,129.3 48.2,124.356 49.416,123.14 57.36,123.14 57.36,123.174 58.28,124.094 58.28,126.543 J1.88@59.69,127.953 ; J1.88@59.6,127.9 62.5,127.9 63.9,126.5 65.5,126.5 66.8,127.8 79.758,127.8 J2.88@79.91,127.953 ; J2.88@79.92,127.9 82.82,127.9 84.22,126.5 85.82,126.5 87.12,127.8 100.078,127.8 J3.88@100.23,127.953 ; J3.88@100.24,127.9 103.14,127.9 104.54,126.5 106.14,126.5 107.44,127.8 120.398,127.8 J4.88@120.55,127.953 ; J4.88@120.56,127.9 123.46,127.9 124.86,126.5 126.46,126.5 127.76,127.8 140.718,127.8 J5.88@140.87,127.953 ; J5.88@140.88,127.9 143.78,127.9 145.18,126.5 146.78,126.5 148.08,127.8 161.038,127.8 J6.88@161.19,127.953 ; J6.88@161.2,127.9 164.1,127.9 165.5,126.5 167.1,126.5 168.4,127.8 181.358,127.8 J7.88@181.51,127.953 ; J7.88@181.52,127.9 184.42,127.9 185.82,126.5 187.42,126.5 188.72,127.8 201.678,127.8 J8.88@201.83,127.953 ; J8.88@201.84,127.9 204.74,127.9 206.14,126.5 207.74,126.5 209.04,127.8 221.998,127.8 J9.88@222.15,127.953 ; J9.88@222.16,127.9 225.06,127.9 226.46,126.5 228.06,126.5 229.36,127.8 242.318,127.8 J10.88@242.47,127.953 ; J10.88@242.48,127.9 245.38,127.9 246.78,126.5 248.38,126.5 249.68,127.8 262.638,127.8 J11.88@262.79,127.953 ; J11.88@262.8,127.9 265.7,127.9 267.1,126.5 268.7,126.5 270,127.8 282.958,127.8 J12.88@283.11,127.953 ; J12.88@283.12,127.9 286.02,127.9 287.42,126.5 289.02,126.5 290.32,127.8 303.278,127.8 J13.88@303.43,127.953 ; J13.88@303.44,127.9 306.34,127.9 307.74,126.5 309.34,126.5 310.64,127.8 323.598,127.8 J14.88@323.75,127.953 ; J14.88@323.76,127.9 326.66,127.9 328.06,126.5 329.66,126.5 330.96,127.8 343.918,127.8 J15.88@344.07,127.953 ; J15.88@344.08,127.9 346.98,127.9 348.38,126.5 349.98,126.5 351.28,127.8 364.238,127.8 J16.88@364.39,127.953
BUS30: P7.34 U3.1 U11.1B7 | length 183.3
  Top Layer w0.15: P7.34@140.2,211 141.2,210 141.2,208.5 141.8,207.9 144.99,207.9 145.36,207.53 155.95,207.53 156.63,206.85 157.29,206.85 158,206.14 158,204.7 U11.1B7@158.95,203.75
  Bottom Layer w0.15: U3.1@55.8,133.645 53.645,135.8 49.847,135.8 48.1,137.547 48.1,149.5 57.198,158.598 57.198,165.598 84.86,193.26 150.46,193.26 158.97,201.77 U11.1B7@158.97,203.7
BUS30_N: J1.82 J2.82 J3.82 J4.82 J5.82 J6.82 J7.82 J8.82 J9.82 J10.82 J11.82 J12.82 J13.82 J14.82 J15.82 J16.82 R31.1 U3.2 | length 331.5
  Top Layer w0.15: R31.1@56,135.9 56.327,135.572 J1.82@59.69,135.572
  Bottom Layer w0.15: 56.8,132.4 57.3,132.9 57.3,134.8 58.073,135.572 J1.82@59.69,135.572 ; J1.82@59.6,135.6 62.5,135.6 63.9,134.2 65.5,134.2 66.8,135.5 79.758,135.5 J2.82@79.91,135.652 ; J2.82@79.92,135.6 82.82,135.6 84.22,134.2 85.82,134.2 87.12,135.5 100.078,135.5 J3.82@100.23,135.652 ; J3.82@100.24,135.6 103.14,135.6 104.54,134.2 106.14,134.2 107.44,135.5 120.398,135.5 J4.82@120.55,135.652 ; J4.82@120.56,135.6 123.46,135.6 124.86,134.2 126.46,134.2 127.76,135.5 140.718,135.5 J5.82@140.87,135.652 ; J5.82@140.88,135.6 143.78,135.6 145.18,134.2 146.78,134.2 148.08,135.5 161.038,135.5 J6.82@161.19,135.652 ; J6.82@161.2,135.6 164.1,135.6 165.5,134.2 167.1,134.2 168.4,135.5 181.358,135.5 J7.82@181.51,135.652 ; J7.82@181.52,135.6 184.42,135.6 185.82,134.2 187.42,134.2 188.72,135.5 201.678,135.5 J8.82@201.83,135.652 ; J8.82@201.84,135.6 204.74,135.6 206.14,134.2 207.74,134.2 209.04,135.5 221.998,135.5 J9.82@222.15,135.652 ; J9.82@222.16,135.6 225.06,135.6 226.46,134.2 228.06,134.2 229.36,135.5 242.318,135.5 J10.82@242.47,135.652 ; J10.82@242.48,135.6 245.38,135.6 246.78,134.2 248.38,134.2 249.68,135.5 262.638,135.5 J11.82@262.79,135.652 ; J11.82@262.8,135.6 265.7,135.6 267.1,134.2 268.7,134.2 270,135.5 282.958,135.5 J12.82@283.11,135.652 ; J12.82@283.12,135.6 286.02,135.6 287.42,134.2 289.02,134.2 290.32,135.5 303.278,135.5 J13.82@303.43,135.652 ; J13.82@303.44,135.6 306.34,135.6 307.74,134.2 309.34,134.2 310.64,135.5 323.598,135.5 J14.82@323.75,135.652 ; J14.82@323.76,135.6 326.66,135.6 328.06,134.2 329.66,134.2 330.96,135.5 343.918,135.5 J15.82@344.07,135.652 ; J15.82@344.08,135.6 346.98,135.6 348.38,134.2 349.98,134.2 351.28,135.5 364.238,135.5 J16.82@364.39,135.652
BUS30_P: J1.83 J2.83 J3.83 J4.83 J5.83 J6.83 J7.83 J8.83 J9.83 J10.83 J11.83 J12.83 J13.83 J14.83 J15.83 J16.83 R31.2 U3.3 | length 355.4
  Top Layer w0.15: R31.2@53.2,135.3 53.8,134.7 57.5,134.7 57.897,134.302 J1.83@62.23,134.302
  Bottom Layer w0.15: U3.3@56.6,131.1 57.6,132.1 57.6,134.046 57.856,134.302 J1.83@62.23,134.302 ; J1.83@62.1,134.3 62.1,134 64.2,131.9 65.2,131.9 66.5,133.2 67.9,133.2 69.023,134.322 J2.83@82.45,134.322 ; J2.83@82.42,134.3 82.42,134 84.52,131.9 85.52,131.9 86.82,133.2 88.22,133.2 89.343,134.322 J3.83@102.77,134.322 ; J3.83@102.74,134.3 102.74,134 104.84,131.9 105.84,131.9 107.14,133.2 108.54,133.2 109.663,134.322 J4.83@123.09,134.322 ; J4.83@123.06,134.3 123.06,134 125.16,131.9 126.16,131.9 127.46,133.2 128.86,133.2 129.983,134.322 J5.83@143.41,134.322 ; J5.83@143.38,134.3 143.38,134 145.48,131.9 146.48,131.9 147.78,133.2 149.18,133.2 150.303,134.322 J6.83@163.73,134.322 ; J6.83@163.7,134.3 163.7,134 165.8,131.9 166.8,131.9 168.1,133.2 169.5,133.2 170.623,134.322 J7.83@184.05,134.322 ; J7.83@184.02,134.3 184.02,134 186.12,131.9 187.12,131.9 188.42,133.2 189.82,133.2 190.943,134.322 J8.83@204.37,134.322 ; J8.83@204.34,134.3 204.34,134 206.44,131.9 207.44,131.9 208.74,133.2 210.14,133.2 211.263,134.322 J9.83@224.69,134.322 ; J9.83@224.66,134.3 224.66,134 226.76,131.9 227.76,131.9 229.06,133.2 230.46,133.2 231.583,134.322 J10.83@245.01,134.322 ; J10.83@244.98,134.3 244.98,134 247.08,131.9 248.08,131.9 249.38,133.2 250.78,133.2 251.903,134.322 J11.83@265.33,134.322 ; J11.83@265.3,134.3 265.3,134 267.4,131.9 268.4,131.9 269.7,133.2 271.1,133.2 272.223,134.322 J12.83@285.65,134.322 ; J12.83@285.62,134.3 285.62,134 287.72,131.9 288.72,131.9 290.02,133.2 291.42,133.2 292.543,134.322 J13.83@305.97,134.322 ; J13.83@305.94,134.3 305.94,134 308.04,131.9 309.04,131.9 310.34,133.2 311.74,133.2 312.863,134.322 J14.83@326.29,134.322 ; J14.83@326.26,134.3 326.26,134 328.36,131.9 329.36,131.9 330.66,133.2 332.06,133.2 333.183,134.322 J15.83@346.61,134.322 ; J15.83@346.58,134.3 346.58,134 348.68,131.9 349.68,131.9 350.98,133.2 352.38,133.2 353.503,134.322 J16.83@366.93,134.322
BUS31: P7.33 U3.7 U11.1B6 | length 188.2
  Top Layer w0.15: P7.33@140.2,209 141.7,207.5 144.934,207.5 145.354,207.08 155.62,207.08 U11.1B6@156.95,205.75
  Bottom Layer w0.15: U3.7@55.8,126.025 54.575,126.025 53.7,126.9 53.7,135.02 53.24,135.48 49.63,135.48 47.72,137.39 47.72,149.62 56.85,158.75 56.85,166 84.91,194.06 150,194.06 157.93,201.99 157.93,204.73 U11.1B6@156.94,205.72
BUS31_N: J1.85 J2.85 J3.85 J4.85 J5.85 J6.85 J7.85 J8.85 J9.85 J10.85 J11.85 J12.85 J13.85 J14.85 J15.85 J16.85 R32.1 U3.6 | length 356.1
  Top Layer w0.15: R32.1@53.3,132.6 53.8,132.1 57.3,132.1 57.637,131.762 J1.85@62.23,131.762
  Bottom Layer w0.15: U3.6@56.6,127.3 57.66,128.36 57.66,130.84 58.583,131.762 J1.85@62.23,131.762 ; J1.85@62.1,131.8 62.1,131.5 64.2,129.4 65.2,129.4 66.5,130.7 67.9,130.7 69.023,131.822 J2.85@82.45,131.822 ; J2.85@82.42,131.8 82.42,131.5 84.52,129.4 85.52,129.4 86.82,130.7 88.22,130.7 89.343,131.822 J3.85@102.77,131.822 ; J3.85@102.74,131.8 102.74,131.5 104.84,129.4 105.84,129.4 107.14,130.7 108.54,130.7 109.663,131.822 J4.85@123.09,131.822 ; J4.85@123.06,131.8 123.06,131.5 125.16,129.4 126.16,129.4 127.46,130.7 128.86,130.7 129.983,131.822 J5.85@143.41,131.822 ; J5.85@143.38,131.8 143.38,131.5 145.48,129.4 146.48,129.4 147.78,130.7 149.18,130.7 150.303,131.822 J6.85@163.73,131.822 ; J6.85@163.7,131.8 163.7,131.5 165.8,129.4 166.8,129.4 168.1,130.7 169.5,130.7 170.623,131.822 J7.85@184.05,131.822 ; J7.85@184.02,131.8 184.02,131.5 186.12,129.4 187.12,129.4 188.42,130.7 189.82,130.7 190.943,131.822 J8.85@204.37,131.822 ; J8.85@204.34,131.8 204.34,131.5 206.44,129.4 207.44,129.4 208.74,130.7 210.14,130.7 211.263,131.822 J9.85@224.69,131.822 ; J9.85@224.66,131.8 224.66,131.5 226.76,129.4 227.76,129.4 229.06,130.7 230.46,130.7 231.583,131.822 J10.85@245.01,131.822 ; J10.85@244.98,131.8 244.98,131.5 247.08,129.4 248.08,129.4 249.38,130.7 250.78,130.7 251.903,131.822 J11.85@265.33,131.822 ; J11.85@265.3,131.8 265.3,131.5 267.4,129.4 268.4,129.4 269.7,130.7 271.1,130.7 272.223,131.822 J12.85@285.65,131.822 ; J12.85@285.62,131.8 285.62,131.5 287.72,129.4 288.72,129.4 290.02,130.7 291.42,130.7 292.543,131.822 J13.85@305.97,131.822 ; J13.85@305.94,131.8 305.94,131.5 308.04,129.4 309.04,129.4 310.34,130.7 311.74,130.7 312.863,131.822 J14.85@326.29,131.822 ; J14.85@326.26,131.8 326.26,131.5 328.36,129.4 329.36,129.4 330.66,130.7 332.06,130.7 333.183,131.822 J15.85@346.61,131.822 ; J15.85@346.58,131.8 346.58,131.5 348.68,129.4 349.68,129.4 350.98,130.7 352.38,130.7 353.503,131.822 J16.85@366.93,131.822